# Altium PCB PCB.PcbDoc
Units mm, origin at the board's own origin, x right, y up, seen from the top; angles counter-clockwise.
Board outline 127 x 60 mm, 2 copper layers (Top Layer, Bottom Layer), stack 0.781 mm thick; 55 components, 34 nets, 212 pads, 306 vias.
Unrouted connection lines stored in the file: 11.
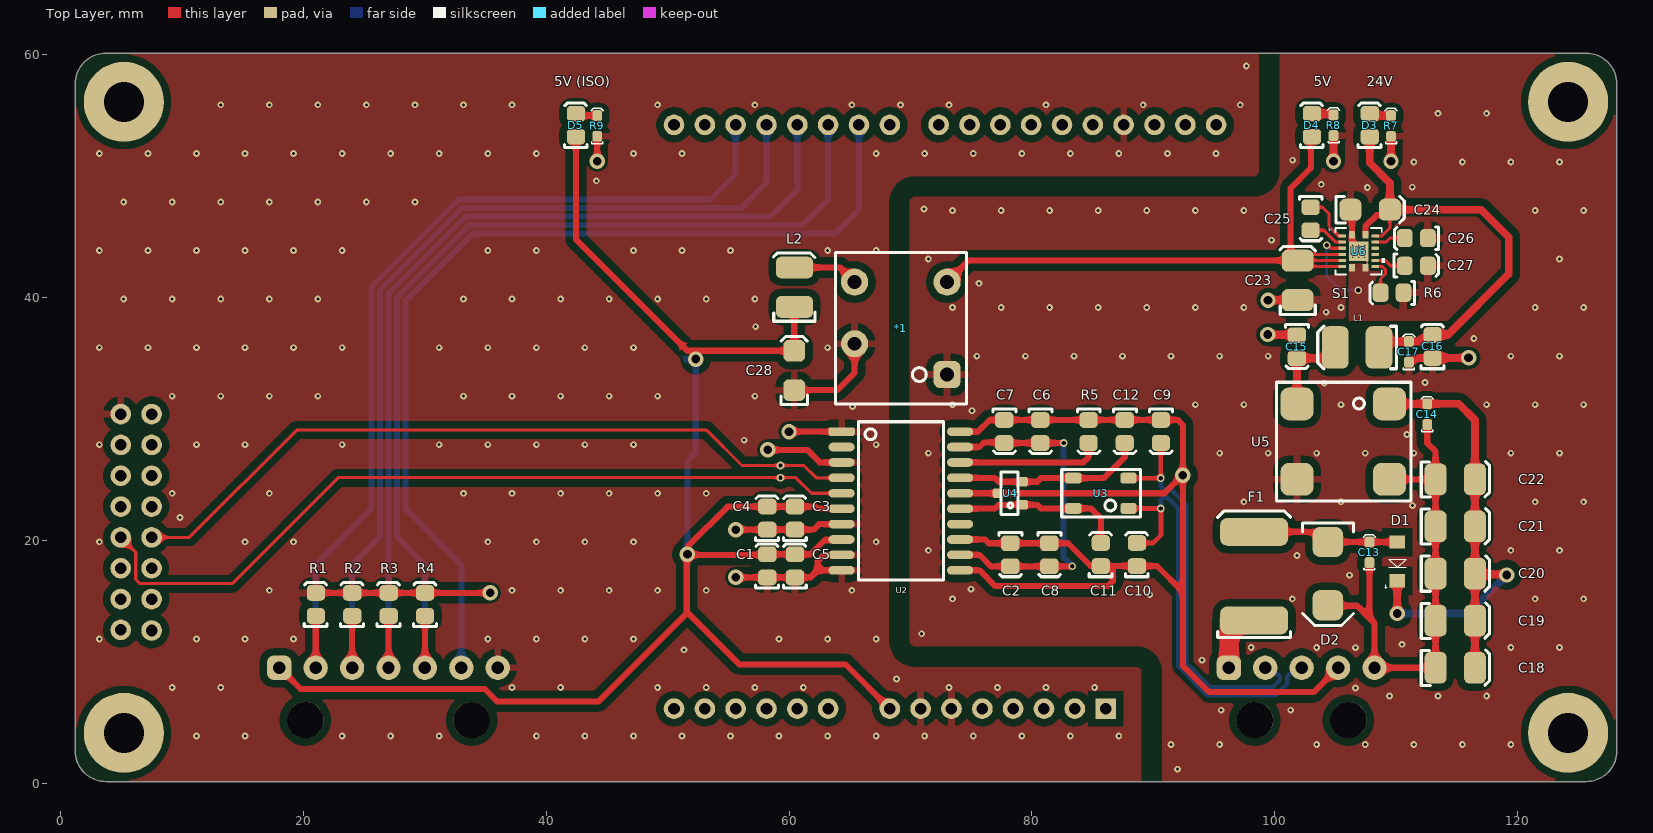
[diagram p0: Top Layer view]
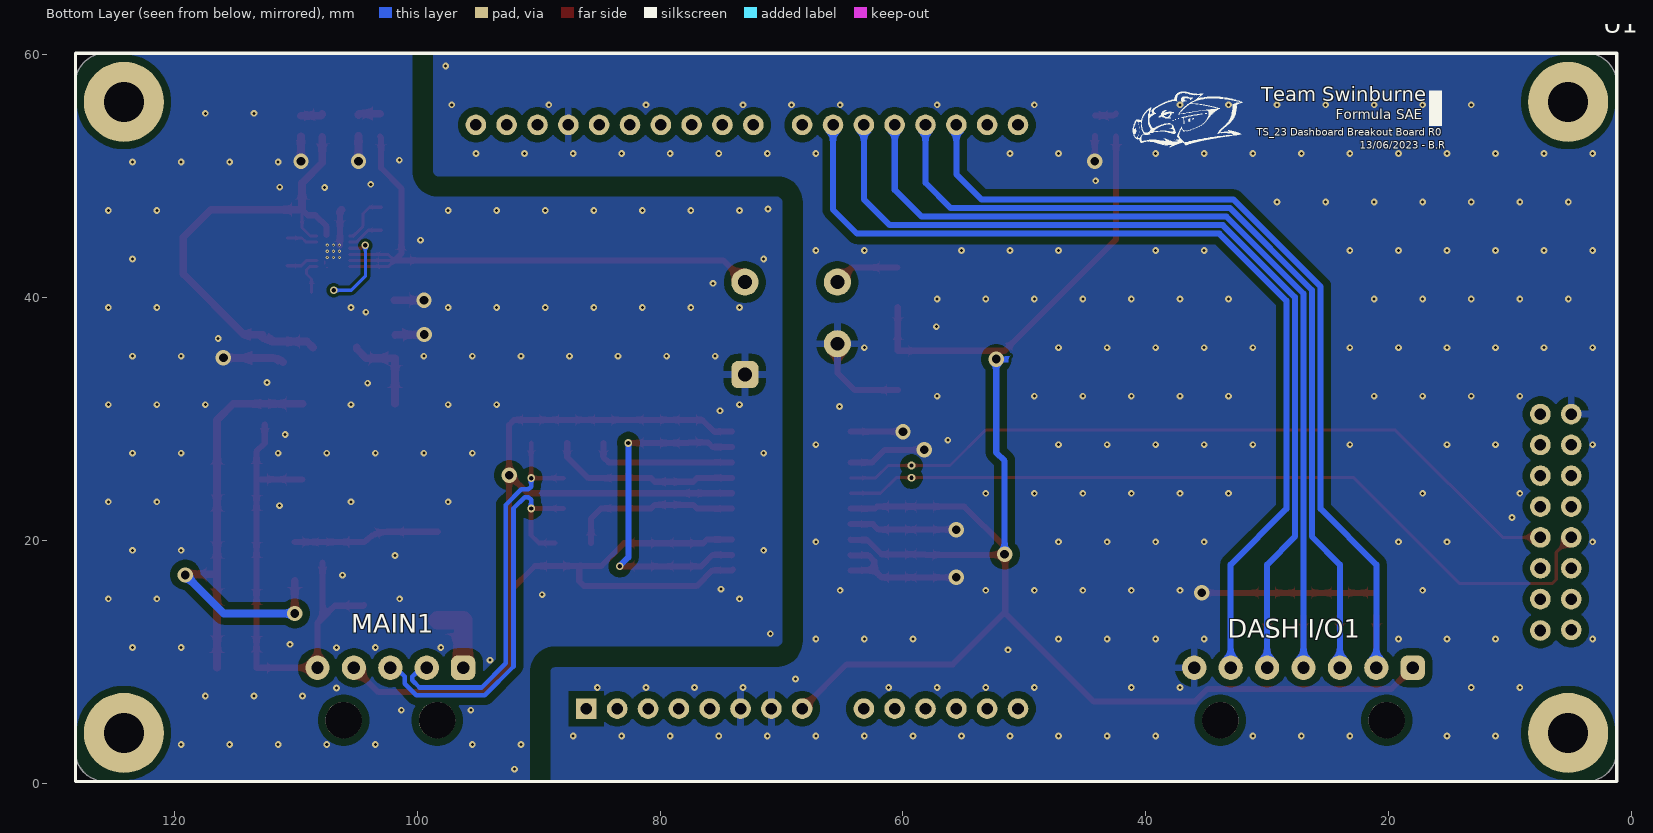
[diagram p1: Bottom Layer view, seen from below]

## Layer stack, top to bottom
Top Solder: solder mask 0.0254, SM-001, Dk 4
Top Layer: signal copper 0.035
Dielectric 1: core 0.7112, Core-039, Dk 4.8
Bottom Layer: signal copper 0.035
Bottom Solder: solder mask 0.0254, SM-001, Dk 4

## Board outline
1.195,2.627 1.195,57.627 cw(c3.695,57.627) 3.695,60.127 125.695,60.127 cw(c125.695,57.627) 128.195,57.627 128.195,2.627 cw(c125.695,2.627) 125.695,0.127 3.695,0.127 cw(c3.695,2.627)

## Design rules (kind name [scope] priority, off if disabled: settings)
Clearance ClearanceSIG0V [InNet('SIG 0V') vs InNet('0V')] p1: gap=0.254 ignorepadtopadclearanceinfootprint=FALSE except(0: Arc-Hole Track-Hole SMDPad-Hole THPad-Hole Via-Hole Fill-Hole Poly-Hole Region-Hole Text-Hole; 0.1: THPad-THPad; 0.152: Arc-SMDPad Track-SMDPad SMDPad-SMDPad; 0.2: Arc-THPad Track-THPad SMDPad-THPad THPad-Via; 0.203: Arc-Arc Arc-Track Arc-Region Track-Track Track-Region SMDPad-Region THPad-Region Via-Region Fill-Region Poly-Region Region-Region; 0.245: SMDPad-Poly Via-Poly; 0.6: Arc-Poly THPad-Poly Fill-Poly)
Clearance ClearanceSIG0V_1 [InNet('SIG 0V')] p2: gap=0.254 ignorepadtopadclearanceinfootprint=FALSE except(0: Arc-Hole Track-Hole SMDPad-Hole THPad-Hole Via-Hole Fill-Hole Poly-Hole Region-Hole Text-Hole; 0.1: THPad-THPad; 0.152: Arc-SMDPad Track-SMDPad SMDPad-SMDPad; 0.2: Arc-THPad Track-THPad SMDPad-THPad THPad-Via; 0.203: Arc-Arc Arc-Track Arc-Region Track-Track Track-Region SMDPad-Region THPad-Region Via-Region Fill-Region Poly-Region Region-Region; 0.245: Via-Poly; 0.6: Arc-Poly THPad-Poly Fill-Poly)
Clearance [All] p3: gap=0.254 ignorepadtopadclearanceinfootprint=FALSE except(0: Arc-Hole Track-Hole SMDPad-Hole THPad-Hole Via-Hole Fill-Hole Poly-Hole Region-Hole Text-Hole; 0.1: THPad-THPad; 0.152: Arc-SMDPad Track-SMDPad SMDPad-SMDPad; 0.2: Arc-THPad Track-THPad SMDPad-THPad THPad-Via; 0.203: Arc-Arc Arc-Track Arc-Region Track-Track Track-Region SMDPad-Region THPad-Region Via-Region Fill-Region Poly-Region Region-Region; 0.6: Arc-Poly Track-Poly SMDPad-Poly THPad-Poly Via-Poly Fill-Poly Poly-Poly)
ComponentClearance ComponentClearance_1 [HasFootprint('MAXM17631AME+T') vs HasFootprint('POINT_0_1')] p1: gap=0 collisioncheckmode=3 verticalgap=0 showdistances=FALSE
ComponentClearance [All] p2: gap=0.254 collisioncheckmode=3 verticalgap=0.254 showdistances=FALSE
DiffPairsRouting [All] p1: maxlimit=0.254 minlimit=0.254 mostfreqgap=0.254 toplayer_minwidth=0.381 toplayer_maxwidth=0.381 toplayer_prefwidth=0.381 bottomlayer_minwidth=0.381 bottomlayer_maxwidth=0.381 bottomlayer_prefwidth=0.381 maxuncoupledlength=12.7
Height [All] p1: minheight=0 maxheight=50 prefheight=12.7
HoleSize [All] p1: absolutevalues=TRUE maxlimit=10 minlimit=0.025 maxpercent=80.000 minpercent=20.000
PlaneClearance [All] p1: clearance=0.4
PlaneConnect [All] p1: pad.planeconnectstyle=Relief pad.reliefexpansion=0.508 pad.reliefentries=4 pad.reliefconductorwidth=0.8 pad.reliefairgap=0.254 via.planeconnectstyle=Direct via.reliefexpansion=0.508 via.reliefentries=4 via.reliefconductorwidth=0.8 via.reliefairgap=0.254
PolygonConnect PolygonConnectSIG0V [InNet('SIG 0V') vs HasFootprint('MAXM17631AME+T')] p1: thpad.connectstyle=Relief thpad.reliefconductorwidth=0.6 thpad.reliefentries=4 thpad.polygonreliefangle="90 Angle" thpad.airgapwidth=0.254 smdpad.connectstyle=Direct smdpad.reliefconductorwidth=0.6 smdpad.reliefentries=4 smdpad.polygonreliefangle="90 Angle" smdpad.airgapwidth=0.254 via.connectstyle=Direct via.reliefconductorwidth=0.6 via.reliefentries=4 via.polygonreliefangle="90 Angle" via.airgapwidth=0.254
PolygonConnect PolygonConnectSIG0VSTAR [InNet('SIG 0V') vs HasFootprint('POINT_0_1')] p2: thpad.connectstyle=Relief thpad.reliefconductorwidth=0.6 thpad.reliefentries=4 thpad.polygonreliefangle="90 Angle" thpad.airgapwidth=0.254 smdpad.connectstyle=Relief smdpad.reliefconductorwidth=0.6 smdpad.reliefentries=4 smdpad.polygonreliefangle="90 Angle" smdpad.airgapwidth=0.254 via.connectstyle=Direct via.reliefconductorwidth=0.6 via.reliefentries=4 via.polygonreliefangle="90 Angle" via.airgapwidth=0.254
PolygonConnect PolygonConnect0VSTAR [InNet('0V') vs HasFootprint('POINT_0_1')] p3: thpad.connectstyle=Relief thpad.reliefconductorwidth=0.6 thpad.reliefentries=4 thpad.polygonreliefangle="90 Angle" thpad.airgapwidth=0.254 smdpad.connectstyle=Direct smdpad.reliefconductorwidth=0.6 smdpad.reliefentries=4 smdpad.polygonreliefangle="90 Angle" smdpad.airgapwidth=0.254 via.connectstyle=Direct via.reliefconductorwidth=0.6 via.reliefentries=4 via.polygonreliefangle="90 Angle" via.airgapwidth=0.254
PolygonConnect PolygonConnect0VEPADVIAREG [InNet('0V') vs HasFootprint('MAXM17631AME+T')] p4: thpad.connectstyle=Relief thpad.reliefconductorwidth=0.6 thpad.reliefentries=4 thpad.polygonreliefangle="90 Angle" thpad.airgapwidth=0.254 smdpad.connectstyle=Direct smdpad.reliefconductorwidth=0.6 smdpad.reliefentries=4 smdpad.polygonreliefangle="90 Angle" smdpad.airgapwidth=0.254 via.connectstyle=Direct via.reliefconductorwidth=0.6 via.reliefentries=4 via.polygonreliefangle="90 Angle" via.airgapwidth=0.254
PolygonConnect PolygonConnect_1 [All] p5: thpad.connectstyle=Relief thpad.reliefconductorwidth=0.6 thpad.reliefentries=4 thpad.polygonreliefangle="90 Angle" thpad.airgapwidth=0.6 smdpad.connectstyle=Relief smdpad.reliefconductorwidth=0.6 smdpad.reliefentries=4 smdpad.polygonreliefangle="90 Angle" smdpad.airgapwidth=0.6 via.connectstyle=Direct via.reliefconductorwidth=0.6 via.reliefentries=4 via.polygonreliefangle="90 Angle" via.airgapwidth=0.6
RoutingVias [All] p1: holewidth=0.711 width=1.27 viastyle="Through Hole" minholewidth=0.1 minwidth=0.15 maxholewidth=0.711 maxwidth=1.27
ShortCircuit [All vs InPadClass('All Pads')] p1: allowed=FALSE
SolderMaskExpansion [All] p1: expansion=0.051 istentingtop=FALSE
Width Width_1 [InNet('SIG 0V')] p1: maxlimit=3 minlimit=0.1 preferedwidth=0.5 minimp=50.000000 maximp=50.000000 favimp=50.000000
Width [All] p2: maxlimit=3 minlimit=0.127 preferedwidth=0.5
23 further rules are at their usual default settings.

## Classes and differential pairs
component class "U_Power supply - Copy (2)": *1 C13 C14 C15 C16 C17 C18 C19 C20 C21 C22 C23 C24 C25 C26 C27 C28 D1 D2 D3 D4 D5 F1 L1 L2 R6 R7 R8 R9 S1 U5 U6
component class U_CAN: C1 C2 C3 C4 C5 C6 C7 C8 C9 C10 C11 C12 R5 U2 U3 U4
component class Top_Level: "DASH I/O1" MAIN1 R1 R2 R3 R4 U1
differential pair CAN1: +CAN1_P -CAN1_N

## Components (designator, comment, footprint, x,y, rotation, side; value= is the part's Value field where it differs from the comment)
*1 "NKE0505DC" NKE0505DC 73.025,33.655 r90 top
C1 "100nF" 0805 58.182,17.907 r90 top
C2 "100nF" 0805 78.258,18.796 r270 top
C3 "10nF" 0805 60.468,21.844 r90 top
C4 "100nF" 0805 58.182,21.844 r90 top
C5 "10nF" 0805 60.468,17.907 r90 top
C6 "100nF" 0805 80.732,28.956 r270 top
C7 "10nF" 0805 77.756,28.956 r270 top
C8 "10nF" 0805 81.474,18.796 r270 top
C9 "100pF" 0805 90.662,28.956 r270 top
C10 "100pF" 0805 88.641,18.844 r90 top
C11 "100pF" 0805 85.664,18.844 r90 top
C12 "100pF" 0805 87.685,28.956 r270 top
C13 "100nF" 0603 107.823,18.156 r90 top
C14 "100nF" 0603 112.588,29.542 r90 top
C15 "10uF" 0805 101.865,35.941 r270 top
C16 "10uF" 0805 113,35.989 r90 top
C17 "100nF" 0603 111.075,34.675 r90 top
C18 "22uF" 1210 116.078,9.5 r0 top
C19 "22uF" 1210 116.078,13.38 r0 top
C20 "22uF" 1210 116.078,17.261 r0 top
C21 "22uF" 1210 116.078,21.141 r0 top
C22 "22uF" 1210 116.078,25.022 r0 top
C23 "22uF" 1210 101.9,42.6 r90 top
C24 "4.7uF" "1206 CAP" 109.07,47.244 r0 top
C25 "100nF" 0805 102.997,46.482 r270 top
C26 "2.2uF" 0805 111.675,44.875 r180 top
C27 "6.8nF" 0805 111.7,42.65 r0 top
C28 "4.7uF" "1206 CAP" 60.429,35.179 r90 top
D1 "PMEG100T10ELR-QX" "NXP SOD123W" 110.109,18.256 r90 top
D2 "SM6T36CAY" "ST SMB DIODE" 104.394,17.256 r90 top
D3 "Red" "0805 LED" 107.823,54.215 r90 top
D4 "Red" "0805 LED" 103.058,54.215 r90 top
D5 "Red" "0805 LED" 42.418,54.215 r90 top
"DASH I/O1" "436500700" 436500700 18,9.5 r180 bottom
F1 "0ZCF0100AF2A" 2920 98.325,13.401 r90 top
L1 "12uH" 1812 106.811,35.889 r180 top
L2 "47 uH" 82473C 60.452,42.037 r90 top
MAIN1 "436500500" 436500500 96.237,9.5 r180 bottom
R1 "10k" 0805 20.989,14.732 r90 top
R2 "10k" 0805 23.989,14.732 r90 top
R3 "10k" 0805 26.989,14.732 r90 top
R4 "10k" 0805 29.989,14.732 r90 top
R5 "0R" 0805 84.709,28.956 r270 top
R6 "15k" 0805 109.675,40.375 r180 top
R7 "20K" 0603 109.601,53.291 r90 top
R8 "2K" 0603 104.862,53.341 r90 top
R9 "2K" 0603 44.196,53.291 r90 top
S1 "" POINT_0_1 107.65,43.025 r270 top net-tie value=0.1
U1 "DISCO-F469NI" DISCO-F469NI 64.693,31.127 r90 bottom locked
U2 "" "AD SOIC-W 20" 69.215,23.241 r270 top
U3 "B82787C0104H002" "TDK 4-PC Pad" 87.973,22.626 r180 top value="100µH @ 100kHz"
U4 "NUP2105L" "ON SOT-23" 78.232,23.876 r90 top
U5 "744272121" "Wurth 4-PC Pad" 101.854,25.022 r0 top value="120uH @ 100kHz"
U6 "MAXM17631AME+T" MAXM17631AME+T 106.934,43.815 r0 top

## Footprints (in the part's own frame and the unit in brackets; to place one, negate y for a bottom-side part, rotate by r counter-clockwise, add the part's x,y. Pads: shape width x height; smd on the part's side, far side on the other; paste and mask are expansions set on the pad)
0603 [mm]
  rrect50% 0.9x0.8 smd: 1(0,0) 2(1.7,0)
  silkscreen extent -0.6,-0.5 2.3,0.5, body extent 0.05,-0.42 1.65,0.43, height 0.6
0805 [mm]
  rrect50% 1.3x1.5 smd: 1(-0.962,-0.026) 2(0.938,-0.026)
  silkscreen extent -1.85,-0.95 1.8,0.93, body extent -1,-0.65 1,0.66, height 0.73
"0805 LED" [mm]
  rrect50% 1.3x1.5 smd: A(-0.962,-0.026) K(0.938,-0.026)
  silkscreen extent -1.85,-0.95 1.8,0.93, body extent -1.09,-0.63 0.91,0.62, height 1
"1206 CAP" [mm]
  rrect50% 1.8x1.8 smd: 1(-2.81,0) 2(0.44,0)
  silkscreen extent -3.99,-1.09 1.62,1.09, body extent -2.75,-0.79 0.45,0.81, height 1.61
1210 [mm]
  rrect50% 1.8x2.6 smd: 1(-2.81,0) 2(0.44,0)
  silkscreen extent -3.99,-1.46 1.62,1.46, body extent -2.77,-1.26 0.43,1.24, height 2.51
1812 [mm]
  rrect50% 2.2x3.5 smd: 1(-1.8,0) 2(1.8,0)
  silkscreen extent -3.25,-1.75 3.25,1.75, body extent -2.25,-1.6 2.25,1.6, height 2.5
2920 [mm]
  rrect50% 2.3x5.6 smd: 1(0,0) 2(7.3,0)
  silkscreen extent -1.4,-3 9,3, body extent -0.34,-2.81 7.64,2.81, height 1.14
82473C [mm]
  rrect50% 1.8x3.05 smd: 1(-2.81,0) 2(0.44,0)
  silkscreen extent -3.99,-1.68 1.62,1.73, body extent -2.81,-1.25 0.45,1.26, height 2
436500500 [mm]
  rrect50% 2x2 hole 1.02 paste+0: 1(0,0)
  round 2 hole 1.02 paste+0: 2(-3,0) 3(-6,0) 4(-9,0) 5(-12,0)
  round 3 hole 3 unplated: PEG(-9.85,-4.32) PEG(-2.15,-4.32)
  body extent -15.32,-8.88 3.32,1.02, height 5.06
436500700 [mm]
  rrect50% 2x2 hole 1.02 paste+0: 1(0,0)
  round 2 hole 1.02 paste+0: 2(-3,0) 3(-6,0) 4(-9,0) 5(-12,0) 6(-15,0) 7(-18,0)
  round 3 hole 3 unplated: PEG(-15.85,-4.32) PEG(-2.15,-4.32)
  body extent -21.32,-8.88 3.32,1.02, height 5.06
"AD SOIC-W 20" [mil]
  rrect50% 28x85 smd: 1(-225,-192.02)
  oval 28x85 smd: 2(-175,-192.02) 3(-125,-192.02) 4(-75,-192.02) 5(-25,-192.02) 6(25,-192.02) 7(75,-192.02) 8(125,-192.02) 9(175,-192.02) 10(225,-192.02) 11(225,192.02) 12(175,191.98) 13(125,191.98) 14(75,191.98) 15(25,191.98) 16(-25,191.98) 17(-75,191.98) 18(-125,191.98) 19(-175,191.98) 20(-225,191.98)
  silkscreen extent -257,-138 256,138, body extent -260,-210 260,210, height 105
DISCO-F469NI [mm]
  round 6.6 hole 3.3: 0(-27,-59.5) 0(-27,59.5) 0(25,-59.5) 0(25,59.5)
  rect 1.7x1.7 hole 0.95: 1(-25,21.391)
  round 1.7 hole 0.95: 2(-25,18.851) 3(-25,16.311) 4(-25,13.771) 5(-25,11.231) 6(-25,8.691) 7(-25,6.151) 8(-25,3.611) 9(-25,-1.469) 10(-25,-4.009) 11(-25,-6.549) 12(-25,-9.089) 13(-25,-11.629) 14(-25,-14.169) 15(23.103,30.499) 16(23.103,27.959) 17(23.103,25.419) 18(23.103,22.879) 19(23.103,20.339) 20(23.103,17.799) 21(23.103,15.259) 22(23.103,12.719) 23(23.103,10.179) 24(23.103,7.639) 25(23.103,3.611) 26(23.103,1.071) 27(23.103,-1.469) 28(23.103,-4.009) 29(23.103,-6.549) 30(23.103,-9.089) 31(23.103,-11.629) 32(23.103,-14.169) 33(-0.727,-57.213) 34(-3.267,-57.213) 35(-5.807,-57.213) 36(-8.347,-57.213) 37(-10.887,-57.213) 38(-13.427,-57.213) 39(-15.967,-57.213) 40(-18.558,-57.213) 41(-18.507,-59.753) 42(-15.967,-59.753) 43(-13.427,-59.753) 44(-10.887,-59.753) 45(-8.347,-59.753) 46(-5.807,-59.753) 47(-3.267,-59.753) 48(-0.727,-59.753)
  silkscreen extent -31,-63.5 29,63.5, body extent -31.1,-64.69 29.95,63.89
MAXM17631AME+T [mil]
  rrect25% 24x10 smd paste-5 mask+0: 1(-53.15,49.21) 2(-53.15,29.53) 3(-53.15,9.84) 4(-53.15,-9.84) 5(-53.15,-29.53) 6(-53.15,-49.21) 9(53.15,-49.21) 10(53.15,-29.53) 11(53.15,-9.84) 12(53.15,9.84) 13(53.15,29.53) 14(53.15,49.21)
  rrect25% 20x24 smd paste+0 mask+0: 7(-21.65,-53.15) 8(21.65,-53.15) 15(21.65,53.15) 16(-21.65,53.15)
  rect 63x63 smd paste+0 mask+0: 17(0,0)
  silkscreen extent -75,-75 85,75, body extent -62,-62 62,62, height 71
NKE0505DC [mm] "DC DC CONVERTER 5V 1W"
  rrect50% 2.24x2.24 hole 1.15: 1(0,0)
  round 2.24 hole 1.15: 4(7.62,0) 5(7.62,7.62) 7(2.54,7.62)
  silkscreen extent -2.44,-1.59 10.06,9.21, body extent -1.94,-1.11 9.56,8.71, height 5.42
"NXP SOD123W" [mm]
  rect 1.1x1.3 smd: A(1.6,0) K(-1.6,0)
  silkscreen extent -2.2,-0.73 0.2,1.04, body extent -1.75,-0.95 1.75,0.95, height 1.1
"ON SOT-23" [mm] "NUP2105L"
  rrect50% 0.8x0.9 smd: 1(-0.95,-1) 2(0.95,-1) 3(0,1)
  silkscreen extent -1.75,-0.65 1.75,0.75, body extent -1.5,-1.27 1.5,1.28, height 1
POINT_0_1 [mil]
  rrect50% 5x5 smd paste+0 mask+0: 1(0,0) 2(10.83,0)
  Top Layer lines w5: 10.83,0 0,0
"ST SMB DIODE" [mm]
  rrect50% 2.5x2.5 smd: A(2.6,0) K(-2.6,0)
  silkscreen extent -4.28,-2.12 4.17,2.08, body extent -2.88,-1.99 2.71,1.95, height 2.5
"TDK 4-PC Pad" [mm]
  rrect50% 1.35x0.9 smd: 1(0,0) 2(0,-2.5) 3(4.55,-2.5) 4(4.55,0)
  silkscreen extent -1,-3.2 5.5,0.7, body extent -0.02,-2.82 4.48,0.38, height 2.8
"Wurth 4-PC Pad" [mm]
  rrect50% 2.7x2.7 smd: 1(7.62,6.22) 2(0,6.22) 3(0,0) 4(7.62,0)
  silkscreen extent -1.7,-1.8 9.4,8, body extent -1.19,-1.24 8.81,7.46, height 6.2

## Part data
*1: "DC DC CONVERTER 5V 1W", Digikey Part Number=811-1433-5-ND, Input Voltage="4.5 to 5.5", Manufacturer="Murata Power Solutions Inc.", Output Current="200 mA", Output Voltage=5V, Part Number=NKE0505DC
C1 C2 C4 C6 C25: library part GCM21BR71H104KA37L, Digikey Part Number=490-6064-1-ND, Manufacturer=muRata, Rated Voltage=50V, Temperature Rating=X7R, Tolerance=±10%, Material=MLCC, Part Number=GCM21BR71H104KA37L
C3 C5 C7 C8: library part GCM2195C1H103JA16D, Digikey Part Number=490-4783-1-ND, Manufacturer=muRata, Rated Voltage=50V, Temperature Rating="C0G, NP0", Tolerance=±5%, Material=MLCC, Part Number=GCM2195C1H103JA16D
C9 C10 C11 C12: library part GCM2165C1H101JA16D, Digikey Part Number=490-8031-1-ND, Manufacturer=muRata, Rated Voltage=50V, Temperature Rating="C0G, NP0", Tolerance=±5%, Material=MLCC, Part Number=GCM2165C1H101JA16D
C13 C14 C17: library part GCM188L81H104KA57D, Digikey Part Number=490-6049-1-ND, Manufacturer=muRata, Rated Voltage=50V, Temperature Rating=X8L, Tolerance=±10%, Material=MLCC, Part Number=GCM188L81H104KA57D
C15 C16: library part GRM21BR6YA106KE43L, Digikey Part Number=490-10514-6-ND, Manufacturer=muRata, Rated Voltage=50V, Temperature Rating=X5R, Tolerance=10%, Material=MLCC, Part Number=GRM21BR6YA106KE43L
C18 C19 C20 C21 C22 C23: library part GRM32ER71E226KE15L, Digikey Part Number=490-5313-2-ND, Manufacturer="Murata Electronics", Rated Voltage=25V, Temperature Rating=X7R, Tolerance=±10%, Material=MLCC, Part Number=GRM32ER71E226KE15L
C24 C28: library part GRM31CR71H475KA12K, Digikey Part Number=490-GRM31CR71H475KA12KTR-ND, Manufacturer="Murata Electronics", Rated Voltage=50V, Temperature Rating=X7R, Tolerance=±10%, Material=MLCC, Part Number=GRM31CR71H475KA12K
C26: library part GRM21BR71E225KE11L, Digikey Part Number=490-14467-2-ND, Manufacturer="Murata Electronics", Rated Voltage=25V, Temperature Rating=X7R, Tolerance=±10%, Material=MLCC, Part Number=GRM21BR71E225KE11L
C27: library part GCM2195C1H682JA16D, Digikey Part Number=490-4974-1-ND, Manufacturer=muRata, Rated Voltage=50V, Temperature Rating="C0G, NP0", Tolerance=±5%, Material=MLCC, Part Number=GCM2195C1H682JA16D
D1: Breakdown Voltage="100 V", Digikey Part Number=1727-PMEG100T10ELR-QXCT-ND, Forward Voltage="0.75 V @ 1A", Manufacturer="Nexperia USA Inc.", Rated Power="680 mW", Part Number=PMEG100T10ELR-QX
D2: Breakdown Voltage="30.8 V", Digikey Part Number=497-10804-1-ND, Manufacturer=STMicroelectronics, Rated Power=600W, Forward Voltage="30.8 V", Part Number=SM6T36CAY
D3 D4 D5: library part SML-210LTT86, "Red LED Indication - Discrete 1.75V 0805 (2012 Metric)", Digikey Part Number=511-1286-1-ND, Manufacturer="ROHM Semiconductor", Colour=Red, Part Number=SML-210LTT86
"DASH I/O1": "Micro-Fit 7x1", Digikey Part Number=WM2423-ND, Angle=90, Contact=Tin, Digikey Link=https://www.digikey.com.au/en/products/detail/molex/0436500700/531339, Flange=No, Part Number=436500700, Pitch=3.0mm, Positions=7, Row Spacing=3.0mm
F1: "PTC RESET FUSE 60V 1A 292", Digikey Part Number=507-2070-1-ND, Manufacturer="Littelfuse Inc.", Digikey Link=https://www.digikey.com/product-detail/en/bel-fuse-inc/0ZCF0100AF2A/507-2070-1-ND/6210547, Part Number=0ZCF0100AF2A
L1: library part RLS-126, Digikey Part Number=945-3429-ND, Manufacturer=Recom, Rated Current="0.8 A", Tolerance=0.2, Impedance=230mOhm, Material=Wirewound, Part Number=RLS-126
L2: library part 82473C, Digikey Part Number=811-2477-2-ND, Manufacturer="Murata Power Solutions Inc.", Rated Current=250mA, Tolerance=0.1, Impedance="1.69 Ohms", Material=Wirewound, Part Number=82473C
MAIN1: "Micro-Fit 5x1", Digikey Part Number=WM1863-ND, Angle=90, Contact=Tin, Digikey Link=https://www.digikey.com.au/en/products/detail/molex/0436500500/268992, Flange=No, Part Number=436500500, Pitch=3.0mm, Positions=5, Row Spacing=3.0mm
R1 R2 R3 R4: library part RC0805FR0710KL, Digikey Part Number=311-10.0KCRCT-ND, Manufacturer=YAGEO, Rated Power=0.125W, Tolerance=0.01, Material=FR-07, Part Number=RC0805FR0710KL
R5: library part RC0805FR070RL, Digikey Part Number=311-0.0CRCT-ND, Manufacturer=YAGEO, Rated Power=0.125W, Tolerance=0.01, Material=FR-07, Part Number=RC0805FR070RL
R6: library part RC0805FR0715KL, Digikey Part Number=311-15.0KCRCT-ND, Manufacturer=YAGEO, Rated Power=0.125W, Tolerance=0.01, Material=FR-07, Part Number=RC0805FR0715KL
R7: library part RC0603FR-0720KL, Digikey Part Number=311-20.0KHRCT-ND, Manufacturer=YAGEO, Rated Power=0.1W, Tolerance=0.01, Part Number=RC0603FR-0720KL
R8 R9: library part RC0603FR-072KL, Digikey Part Number=311-2.00KHRCT-ND, Manufacturer=YAGEO, Rated Power=0.1W, Tolerance=0.01, Part Number=RC0603FR-072KL
S1: library part STAR_POINT_0.1, Part Number=STAR_POINT_0.1
U1: "STM32F469 Discovery STM32F4 ARM® Cortex®-M4 MCU 32-Bit Embedded Evaluation Board  (The Disco 69 lol)", Digikey Part Number=497-15990-ND, Manufacturer=STMicroelectronics, Digikey Link=https://www.digikey.com/product-detail/en/stmicroelectronics/STM32F469I-DISCO/497-15990-ND/5428811, Part Number=DISCO-F469NI
U2: library part ADM3053, "Isolated CAN Transceiver", Digikey Part Number=ADM3053BRWZ-ND, Manufacturer="Analogue Devices", Digikey Link=https://www.digikey.com/product-detail/en/analog-devices-inc/ADM3053BRWZ/ADM3053BRWZ-ND/2709332, Part Number=ADM3053
U3: Digikey Part Number=495-4598-1-ND, Manufacturer="EPCOS (TDK)", Rated Current=150mA, Impedance="5.8 kOhms @ 10MHz", Material=Wirewound, Part Number=B82787C0104H002
U4: "Dual Line CAN Bus Protector", Digikey Part Number=NUP2105LT1GOSCT-ND, Manufacturer="ON Semiconductor", Digikey Link=https://www.digikey.com/product-detail/en/on-semiconductor/NUP2105LT1G/NUP2105LT1GOSCT-ND/1485001, Part Number=NUP2105L
U5: Digikey Part Number=732-1489-1-ND, Manufacturer="Wurth Electronics Inc", Rated Current="2.5 A", Impedance="460 Ohms @ 30MHz", Material=Wirewound, Part Number=744272121
U6: "DC DC CONVERTER 5V", Digikey Part Number=175-MAXM17631AME+TTR-ND, Input Voltage="4.5 to 36 V", Manufacturer="Analog Devices", Mfr_Name="Analog Devices Inc", Output Current="1.0 A", Output Voltage=5V, Digi-Key_Part_Number_1=175-MAXM17631AME+TTR-ND, Part Number=MAXM17631AME+T, RefDes=RefDes, Type=Type

## Via types
v1: diameter 0.55, hole 0.25, Top Layer to Bottom Layer, tented both sides, 273 vias
v2: diameter 1.27, hole 0.711, Top Layer to Bottom Layer, tented both sides, 16 vias
v3: diameter 0.254, hole 0.127, Top Layer to Bottom Layer, tented bottom, 9 vias
v4: diameter 0.635, hole 0.356, Top Layer to Bottom Layer, tented both sides, 8 vias

## Nets (pads, with @x,y where several pads share a name; then routed paths per layer and width w, separated by ;. In a path a pad name is that pad's centre, name@x,y a point inside that pad or via, vN(x,y) a via of type N, cw(c..) or ccw(c..) an arc to the next point about the centre after c; other vN are vias at no path point)
0V: *1.1 C15.1 C16.1 C17.1 C23.1 C24.1 R7.1 R8.1 S1.1 U5.3 U6.16 U6.17 | length 17.1
  Top Layer w0.508: C24.1@106.384,46.944 U6.16 106.384,44.315 v3(106.434,44.315)
  Top Layer w0.635: v2(99.441,36.957) 99.468,36.93 101.811,36.93 C15.1 ; v2(99.466,39.79) C23.1 ; v2@99.466,39.851 v2@99.495,39.881 ; v2(104.862,51.225) R8.1 ; C24.1 cw(c105.96,46.944) C24.1@106.384,46.944 ; v2(109.601,51.225) R7.1 ; C17.1 cw(c111.924,33.826) 111.924,35.027 C16.1 v2@116.015,35.027
  other v1: 92,1.15 91.475,3.175 95.475,3.175 103.475,3.175 107.475,3.175 111.475,3.175 115.475,3.175 119.475,3.175 95.6,6 101.325,6 109.475,7.175 113.475,7.175 117.475,7.175 106.675,7.825 94.025,10.125 106.675,11.15 98.075,11.175 103.475,11.175 119.475,11.175 123.475,11.175 110.5,11.425 70.925,12.3 73.475,15.175 101.475,15.175 121.475,15.175 125.475,15.175 89.725,15.525 75,15.975 106.175,17.125 101.85,18.75 71.475,19.175 119.475,19.175 123.475,19.175 111.375,22.85 97.475,23.175 105.475,23.175 121.475,23.175 125.475,23.175 71.475,27.175 95.475,27.175 99.475,27.175 103.475,27.175 107.475,27.175 111.475,27.175 119.475,27.175 123.475,27.175 110.9,28.725 75.075,30.675 73.475,31.175 93.475,31.175 97.475,31.175 105.475,31.175 117.475,31.175 121.475,31.175 125.475,31.175 104.1,32.95 112.4,33 75.475,35.175 79.475,35.175 83.475,35.175 87.475,35.175 91.475,35.175 95.475,35.175 99.475,35.175 119.475,35.175 123.475,35.175 116.425,36.625 104.25,38.8 73.475,39.175 77.475,39.175 81.475,39.175 85.475,39.175 89.475,39.175 93.475,39.175 97.475,39.175 105.475,39.175 121.475,39.175 125.475,39.175 75.65,41.175 71.475,43.175 123.475,43.175 99.75,44.725 73.475,47.175 77.475,47.175 81.475,47.175 85.475,47.175 89.475,47.175 93.475,47.175 97.475,47.175 121.475,47.175 125.475,47.175 71.125,47.3 107.65,49.075 111.35,49.1 103.85,49.325 111.475,51.175 115.475,51.175 119.475,51.175 123.475,51.175 101.5,51.325 113.475,55.175 117.475,55.175
  other v2: 115.988,35.054
  other v3: 106.434,43.315 106.934,43.315 107.434,43.315 106.434,43.815 106.934,43.815 107.434,43.815 106.934,44.315 107.434,44.315
"0V (ISO)": "DASH I/O1.7" *1.7 C1.1 C3.1 C4.1 C5.1 C28.1 R1.2 R2.2 R3.2 R4.2 R9.1 U1.6 U1.7 U1.18 U1.48 U2.1 U2.3 U2.7 U2.9 U2.10 | length 56.1
  Top Layer w0.5: R1.2 R2.2 R3.2 R4.2 30.018,15.672 35.372,15.672 v2(35.375,15.675) ; v2(44.196,51.225) R9.1 ; v2(55.6,16.945) C1.1 C5.1 61.776,16.945 62.357,17.526 ; v2(55.6,20.882) C4.1 C3.1 62.03,20.882 62.484,21.336 U2.7 ; v2(58.25,27.45) 61.5,27.45 62.534,26.416 U2.3 ; v2(60,28.956) U2.1 ; C28.1 63.969,32.369 65.405,33.805 *1.7 ; U2.10 62.357,17.526 ; U2.9 64.297,18.756 62.825,18.756 62.357,18.288 62.357,17.526
  other v1: 11.178,3.875 15.178,3.875 23.178,3.875 27.178,3.875 31.178,3.875 39.178,3.875 43.178,3.875 47.178,3.875 51.178,3.875 55.178,3.875 59.178,3.875 63.178,3.875 67.178,3.875 71.178,3.875 75.178,3.875 79.178,3.875 83.178,3.875 87.178,3.875 9.178,7.875 13.178,7.875 37.178,7.875 41.178,7.875 49.178,7.875 53.178,7.875 57.178,7.875 61.178,7.875 73.178,7.875 77.178,7.875 81.178,7.875 85.178,7.875 68.85,8.575 51.35,10.975 3.179,11.875 11.178,11.875 15.178,11.875 19.178,11.875 35.178,11.875 39.178,11.875 43.178,11.875 47.178,11.875 59.178,11.875 63.178,11.875 67.178,11.875 17.178,15.875 37.178,15.875 41.178,15.875 45.178,15.875 49.178,15.875 53.178,15.875 65.178,15.875 3.179,19.875 15.178,19.875 19.178,19.875 35.178,19.875 39.178,19.875 43.178,19.875 47.178,19.875 67.178,19.875 9.825,21.875 9.178,23.875 17.178,23.875 33.178,23.875 37.178,23.875 41.178,23.875 45.178,23.875 49.178,23.875 53.178,23.875 3.179,27.875 11.178,27.875 15.178,27.875 23.178,27.875 31.178,27.875 35.178,27.875 39.178,27.875 43.178,27.875 47.178,27.875 67.178,27.875 56.3,28.25 65.225,31.025 9.178,31.875 13.178,31.875 17.178,31.875 21.178,31.875 33.178,31.875 37.178,31.875 41.178,31.875 45.178,31.875 49.178,31.875 57.178,31.875 3.179,35.875 7.178,35.875 11.178,35.875 15.178,35.875 19.178,35.875 23.178,35.875 31.178,35.875 35.178,35.875 39.178,35.875 43.178,35.875 47.178,35.875 63.178,35.875 57.25,37.6 5.178,39.875 9.178,39.875 13.178,39.875 17.178,39.875 21.178,39.875 33.178,39.875 37.178,39.875 41.178,39.875 45.178,39.875 49.178,39.875 53.178,39.875 57.178,39.875 3.179,43.875 7.178,43.875 11.178,43.875 15.178,43.875 19.178,43.875 23.178,43.875 35.178,43.875 39.178,43.875 47.178,43.875 51.178,43.875 55.178,43.875 63.178,43.875 67.178,43.875 5.178,47.875 9.178,47.875 13.178,47.875 17.178,47.875 21.178,47.875 25.178,47.875 29.178,47.875 44.125,49.622 3.179,51.875 7.178,51.875 11.178,51.875 15.178,51.875 19.178,51.875 23.178,51.875 27.178,51.875 31.178,51.875 35.178,51.875 39.178,51.875 47.178,51.875 51.178,51.875 67.178,51.875 71.178,51.875 75.178,51.875 79.178,51.875 83.178,51.875 87.178,51.875 91.178,51.875 95.178,51.875 13.178,55.875 17.178,55.875 21.178,55.875 25.178,55.875 29.178,55.875 33.178,55.875 37.178,55.875 49.178,55.875 57.178,55.875 65.178,55.875 69.178,55.875 73.178,55.875 81.178,55.875 89.178,55.875 97.178,55.875 97.675,59.075
5V: *1.4 C23.2 D4.A U6.4 U6.5 U6.6 | length 52.2
  Top Layer w0.254: U6.6 102.375,42.565 C23.2 C23.2@101.925,43.065 ; U6.5 C23.2@101.925,43.065 ; U6.4 102.425,43.565 C23.2@101.925,43.065
  Top Layer w0.5: *1.4 74.81,43.06 101.15,43.06 C23.2@101.9,43.06 ; C23.2 101.325,43.615 101.325,49.001 102.997,50.673 102.997,53.166 D4.A
"5V (ISO)": "DASH I/O1.1" C1.2 C3.2 C4.2 C5.2 C28.2 D5.A L2.1 U1.8 U2.6 U2.8 | length 141.6
  Top Layer w0.5: 18,9.5 19.753,7.747 34.925,7.747 35.941,6.731 44.311,6.731 51.575,13.995 ; D5.A 42.444,44.805 51.63,35.619 52.315,35.619 ; v2(52.315,34.934) 52.315,35.619 ; L2.1 60.429,39.204 C28.2 52.315,35.619 ; U2.8 64.297,20.026 62.952,20.026 61.771,18.845 C5.2 C1.2 58.161,18.797 51.597,18.797 v2@51.55,18.75 ; U2.6 62.311,22.606 62.135,22.782 C3.2 C4.2 54.942,22.782 51.697,19.537 51.697,18.897 v2@51.55,18.75 ; U1.8 64.652,9.779 55.901,9.779 51.575,14.105 51.575,18.725 v2@51.55,18.75
  Bottom Layer w0.5: v2@51.59,18.79 51.63,18.83 51.63,26.547 52.315,27.232 v2(52.315,34.934)
  other v2: 51.63,18.845
24V: C16.2 C17.2 C24.2 D3.A L1.1 U6.14 U6.15 | length 40.1
  Top Layer w0.254: U6.14 108.815,45.065 109.51,45.76 C24.2@109.51,47.242
  Top Layer w0.508: U6.15 107.484,45.859 108.406,46.781 109.047,46.781 C24.2
  Top Layer w0.635: D3.A 107.849,51.099 109.51,49.439 C24.2 117.031,47.244 119.3,44.975 119.3,41.95 114.295,36.945 C16.2@112.774,36.945 ; L1.1 109.097,36.375 C17.2 111.695,36.375 ccw(c111.695,38.258) C16.2
BUTTON1: "DASH I/O1.2" R1.1 U1.30 | length 75.5
  Top Layer w0.5: 21,9.5 21.008,9.508 21.008,13.762 R1.1
  Bottom Layer w0.5: 21,9.5 21,18 25.594,22.594 25.594,40.908 32.761,48.075 53.525,48.075 55.604,50.154 U1.30
BUTTON2: "DASH I/O1.3" R2.1 U1.29 | length 76.6
  Top Layer w0.5: 24,9.5 24.008,9.508 24.008,13.762 R2.1
  Bottom Layer w0.5: 24,9.5 24,18 26.297,20.297 26.297,40.616 33.052,47.372 56.072,47.372 58.144,49.444 U1.29
BUTTON3: "DASH I/O1.4" R3.1 U1.28 | length 77.7
  Top Layer w0.5: 27,9.5 27.008,9.508 27.008,13.762 R3.1
  Bottom Layer w0.5: 27,9.5 27,40.325 33.344,46.669 58.469,46.669 60.675,48.875 60.675,54.221 U1.28
BUTTON4: "DASH I/O1.5" R4.1 U1.27 | length 80.8
  Top Layer w0.5: 30,9.5 30.008,9.508 30.008,13.762 R4.1
  Bottom Layer w0.5: 30,9.5 30,18 27.703,20.297 27.703,40.034 33.635,45.965 61.09,45.965 63.224,48.099 U1.27
CAN1_N: C10.2 MAIN1.3 U3.1 | length 35.2
  Top Layer w0.381: U3.1 v4(90.636,22.626) 90.65,22.612 90.65,20.425 90.007,19.782 C10.2
  Bottom Layer w0.381: v4(90.636,22.626) 90.636,23.335 90.859,23.558 91.175,23.558 92.087,22.646 92.087,9.6 94.448,7.239 100.097,7.239 101.055,8.197 101.055,8.776 101.278,8.999 101.298,8.999 101.799,9.5 MAIN1.3
CAN1_P: C9.2 MAIN1.2 U3.2 | length 32.6
  Top Layer w0.381: U3.2 v4(90.636,25.126) C9.2
  Bottom Layer w0.381: v4(90.636,25.126) 90.636,24.417 90.859,24.194 91.438,24.194 92.722,22.909 92.722,9.863 94.711,7.874 99.834,7.874 100.42,8.46 100.42,8.776 100.196,8.999 100.176,8.999 99.675,9.5 MAIN1.2
CAN1RX: U1.37 U2.4 | length 62.1
  Top Layer w0.254: U1.37 10.592,20.24 19.427,29.075 53.211,29.075 56.124,26.162 v4(59.293,26.162) 61.214,26.162 62.23,25.146 U2.4
CAN1TX: U1.44 U2.5 | length 66.4
  Top Layer w0.254: U1.44 6.175,19.005 6.175,16.775 6.525,16.425 14.125,16.425 22.862,25.162 v4(59.293,25.162) 60.563,25.162 61.849,23.876 U2.5
CANS: C2.1 C6.1 C7.1 C8.1 C9.1 C10.1 C11.1 C12.1 MAIN1.4 R5.1 U2.11 U2.13 U2.16 U2.20 U4.3 | length 107
  Top Layer w0.5: U2.11@74.025,17.6 74.092,17.533 U2.11 75.699,17.526 77,16.225 86.275,16.225 86.675,16.625 86.675,17.867 86.691,17.882 ; U2.13 76.151,20.066 76.459,19.758 C2.1 C8.1 82.985,19.758 84.861,17.882 86.691,17.882 ; U2.16 U4.3 90.926,23.876 v2(92.425,25.375) ; U2.20 75.565,28.956 76.522,29.913 77.725,29.913 C7.1 C6.1 R5.1 C12.1 92.032,29.918 92.45,29.5 92.45,15.75 ; MAIN1.4 103.23,7.493 94.615,7.493 92.964,9.144 92.45,9.658 92.45,15.75 ; 86.691,17.882 C10.1 90.318,17.882 92.45,15.75
GLV+: F1.1 MAIN1.1 | length 6
  Top Layer w1.524: MAIN1.1 96.237,13.401 F1.1
GLV-: C13.1 C14.1 C18.1 C19.1 C20.1 C21.1 C22.1 D2.K MAIN1.5 U5.4 | length 41.8
  Top Layer w0.508: D2.K 104.445,14.605 106.807,14.605 107.823,13.589 ; C13.1 107.823,13.589 ; U5.4 C22.1 ; C14.1 112.588,28.001 113.268,27.321 C22.1 ; 107.823,13.589 108.237,13.175 MAIN1.5 C18.1 C19.1 C20.1 C21.1 C22.1
Net*1_5: *1.5 L2.2 | length 5.5
  Top Layer w0.5: L2.2 64.203,42.477 *1.5
NetC2_2: C2.2 C6.2 C7.2 C8.2 U2.12 U2.19 | length 28.8
  Top Layer w0.5: U2.19 75.692,27.686 76.073,28.067 77.681,28.067 C7.2 C6.2 v4(82.625,28.018) ; U2.12@74.132,18.756 U2.12 75.692,18.796 76.63,17.858 C2.2 C8.2 v4(83.325,17.858)
  Bottom Layer w0.5: v4(82.625,28.018) 82.625,18.595 83.325,17.895 v4(83.325,17.858)
NetC11_2: C11.2 U2.15 U3.4 U4.1 | length 14.2
  Top Layer w0.5: U2.15 76.962,22.606 77.282,22.926 U4.1 80.452,22.926 80.752,22.626 U3.4 84.874,22.626 85.691,21.809 C11.2
NetC12_2: C12.2 U2.17 U3.3 U4.2 | length 15.7
  Top Layer w0.5: U2.17 76.962,25.146 77.282,24.826 U4.2 80.452,24.826 80.772,25.146 83.403,25.146 U3.3 85.926,25.126 87.659,26.859 C12.2
NetC13_2: C13.2 D1.A D2.A F1.2 | length 12
  Top Layer w0.508: F1.2 102.497,20.701 cw(c102.497,18.161) 103.731,20.381 103.769,20.381 D2.A@104.391,19.853 ; D2.A C13.2 D1.A
NetC14_2: C14.2 C18.2 C19.2 C20.2 C21.2 C22.2 D1.K U5.1 | length 43.7
  Top Layer w0.635: U5.1 C14.2 115.189,31.242 116.518,29.913 C22.2 C21.2 C20.2 ; v2(110.109,13.97) D1.K ; C18.2 C19.2 C20.2 ; v2(119.126,17.145) 119.068,17.203 116.576,17.203 C20.2
  Bottom Layer w0.635: v2(110.109,13.97) 115.951,13.97 v2(119.126,17.145)
NetC15_2: C15.2 L1.2 U5.2 | length 7.4
  Top Layer w0.635: U5.2 101.846,31.25 101.846,34.995 C15.2 104.246,35.003 105.011,35.768 L1.2@105.011,35.889
NetC25_1: C25.1 U6.1 | length 4.2
  Top Layer w0.254: C25.1 103.956,47.444 104.475,46.925 104.475,45.884 104.885,45.475 105.294,45.065 U6.1
NetC25_2: C25.2 U6.2 | length 3
  Top Layer w0.254: C25.2 104.056,45.544 105.035,44.565 U6.2
NetC26_2: C26.2 U6.13 | length 2.6
  Top Layer w0.254: U6.13 109.177,44.565 109.514,44.901 C26.2
NetC27_1: C27.1 U6.10 | length 2.6
  Top Layer w0.254: U6.10 109.125,43.065 109.567,42.624 C27.1
NetD3_K: D3.K R7.2 | length 1.8
  Top Layer w0.635: D3.K ccw(c108.011,55.153) 108.011,54.991 R7.2
NetD4_K: D4.K R8.2 | length 1.8
  Top Layer w0.635: D4.K 104.75,55.153 cw(c104.75,55.041) R8.2
NetD5_K: D5.K R9.2 | length 1.8
  Top Layer w0.5: D5.K ccw(c42.836,55.545) 42.836,54.991 R9.2
NetR5_2: R5.2 U2.18 | length 11.9
  Top Layer w0.5: U2.18 84.241,26.416 84.683,26.858 R5.2
NetR6_2: R6.2 U6.9 | length 3
  Top Layer w0.254: U6.9 108.885,42.565 109.145,42.305 109.145,41.94 108.737,41.532 R6.2
POT: "DASH I/O1.6" U1.26 | length 79.6
  Bottom Layer w0.5: 33,9.5 33,18 28.406,22.594 28.406,39.742 33.926,45.262 63.787,45.262 65.764,47.239 U1.26
"SIG 0V": C26.1 C27.2 R6.1 S1.2 U6.3 U6.7 U6.8 | length 7.1
  Top Layer w0.127: U6.8@107.449,42.476 107.475,42.45 U6.8@107.475,42.465
  Top Layer w0.254: v4(104.3,44.3) 104.403,44.3 104.638,44.065 U6.3
  Bottom Layer w0.254: v4(104.3,44.3) 104.3,41.75 105.45,40.6 v4(106.9,40.6)
pads on no net: "DASH I/O1.PEG" MAIN1.PEG U1.0 U1.1 U1.2 U1.3 U1.4 U1.5 U1.9 U1.10 U1.11 U1.12 U1.13 U1.14 U1.15 U1.16 U1.17 U1.19 U1.20 U1.21 U1.22 U1.23 U1.24 U1.25 U1.31 U1.32 U1.33 U1.34 U1.35 U1.36 U1.38 U1.39 U1.40 U1.41 U1.42 U1.43 U1.45 U1.46 U1.47 U2.2 U2.14 U6.11 U6.12

## Polygon pours and split planes (outlines as drawn)
0V on Top Layer "NONET_L-01_P-001" (solid, remove dead copper, pour order 30): 69.964,11.695 69.964,47.88 cw(c70.37,47.88) 70.37,48.286 98.291,48.286 ccw(c98.291,50.42) 100.424,50.42 100.424,60.127 125.695,60.127 cw(c125.695,57.627) 128.195,57.627 128.195,2.627 cw(c125.695,2.627) 125.695,0.127 3.695,0.127 cw(c3.695,2.627) 1.195,2.627 1.195,57.627 cw(c3.695,57.627) 3.695,60.127 98.697,60.127 98.697,50.42 cw(c98.291,50.42) 98.291,50.014 70.37,50.014 ccw(c70.37,47.88) 68.236,47.88 68.236,11.695 ccw(c70.37,11.695) 70.37,9.561 88.629,9.561 cw(c88.629,9.155) 89.035,9.155 89.035,0.127 90.762,0.127 90.762,9.155 ccw(c88.629,9.155) 88.629,11.289 70.37,11.289 cw(c70.37,11.695)
"SIG 0V" on Top Layer "NONET_L-01_P-001" (solid, remove dead copper, pour order 28): 106.13,42.925 107.725,42.925 107.875,43.075 107.875,45.55 109.025,46.7 116.625,46.7 118.625,44.7 118.625,42.45 114.25,38.075 106.13,38.075
"0V (ISO)" on Top Layer "NONET_L-01_P-001" (solid, remove dead copper, pour order 29): 3.695,0.127 89.035,0.127 89.035,9.155 ccw(c88.629,9.155) 88.629,9.561 70.37,9.561 cw(c70.37,11.695) 68.236,11.695 68.236,47.88 cw(c70.37,47.88) 70.37,50.014 98.291,50.014 ccw(c98.291,50.42) 98.697,50.42 98.697,60.127 3.695,60.127 ccw(c3.695,57.627) 1.195,57.627 1.195,2.627 ccw(c3.695,2.627)
"0V (ISO)" on Bottom Layer "0V_(ISO)_L02_P034" (solid, remove dead copper, pour order 34): 3.695,0.127 89.035,0.127 89.035,9.155 ccw(c88.629,9.155) 88.629,9.561 70.37,9.561 cw(c70.37,11.695) 68.236,11.695 68.236,47.88 cw(c70.37,47.88) 70.37,50.014 98.291,50.014 ccw(c98.291,50.42) 98.697,50.42 98.697,60.127 3.695,60.127 ccw(c3.695,57.627) 1.195,57.627 1.195,2.627 ccw(c3.695,2.627)
0V on Bottom Layer "0V_L02_P033" (solid, remove dead copper, pour order 33): 69.964,11.695 69.964,47.88 cw(c70.37,47.88) 70.37,48.286 98.291,48.286 ccw(c98.291,50.42) 100.424,50.42 100.424,60.127 125.695,60.127 cw(c125.695,57.627) 128.195,57.627 128.195,2.627 cw(c125.695,2.627) 125.695,0.127 3.695,0.127 cw(c3.695,2.627) 1.195,2.627 1.195,57.627 cw(c3.695,57.627) 3.695,60.127 98.697,60.127 98.697,50.42 cw(c98.291,50.42) 98.291,50.014 70.37,50.014 ccw(c70.37,47.88) 68.236,47.88 68.236,11.695 ccw(c70.37,11.695) 70.37,9.561 88.629,9.561 cw(c88.629,9.155) 89.035,9.155 89.035,0.127 90.762,0.127 90.762,9.155 ccw(c88.629,9.155) 88.629,11.289 70.37,11.289 cw(c70.37,11.695)

## Silkscreen, mask and mechanical layers (free items; w line width, h text height)
Top Overlay:
  text "5V (ISO)" at 40.676,57.425 h0.8
  text "5V" at 103.234,57.425 h0.8
  text "24V" at 107.609,57.425 h0.8
Bottom Overlay:
  drawing of 39 lines, arcs and shapes, not listed
  text "Team Swinburne" at 30.46,55.774 h2
  text "Formula SAE" at 24.326,54.415 h1.4
  text "TS_23 Dashboard Breakout Board R0" at 30.868,53.141 h1.02
  text "13/06/2023 - B.R" at 22.366,52.038 h1.02
Mechanical 13:
  the board outline again, w0.254
Drill Drawing:
  circle w0.254: c2.556,98.485 r0.847
  lines w0.254: 1.709,90.018 3.403,90.018 3.403,91.712 1.709,91.712 1.709,90.018 ; 1.709,94.252 2.133,94.252 2.133,93.828 2.979,93.828 2.979,94.252 3.403,94.252 3.403,95.098 2.979,95.098 2.979,95.522 2.133,95.522 2.133,95.098 1.709,95.098 1.709,94.252 ; 1.709,103.142 3.403,103.142 2.556,101.448 1.709,103.142 ; 1.709,106.105 2.556,105.258 3.403,106.105 2.556,106.952 1.709,106.105 ; 1.709,109.068 3.403,109.068 3.403,110.762 1.709,110.762 1.709,109.068 ; 1.709,112.878 2.556,113.302 3.403,112.878 2.979,113.725 3.403,114.572 2.556,114.148 1.709,114.572 2.133,113.725 1.709,112.878 ; 1.709,117.112 2.133,117.112 2.556,116.688 2.979,117.112 3.403,117.112 2.979,117.535 3.403,117.958 2.979,117.958 2.556,118.382 2.133,117.958 1.709,117.958 2.133,117.535 1.709,117.112 ; 1.709,120.498 1.709,120.922 2.133,121.345 1.709,121.768 1.709,122.192 2.133,122.192 2.556,121.768 2.979,122.192 3.403,122.192 3.403,121.768 2.979,121.345 3.403,120.922 3.403,120.498 2.979,120.498 2.556,120.922 2.133,120.498 1.709,120.498 ; 2.048,90.357 3.064,90.357 3.064,91.373 2.048,91.373 2.048,90.357
  lines w0.381: 0.191,88.875 273.012,88.875 ; 0.191,123.165 273.012,123.165 ; 14.183,85.065 14.183,126.975 ; 29.419,85.065 29.419,126.975 ; 58.62,85.065 58.62,126.975 ; 71.469,85.065 71.469,126.975 ; 90.108,85.065 90.108,126.975 ; 128.197,85.065 128.197,126.975 ; 143.179,85.065 143.179,126.975 ; 162.122,85.065 162.122,126.975 ; 182.436,85.065 182.436,126.975 ; 204.122,85.065 204.122,126.975 ; 237.996,85.065 237.996,126.975 ; 0.191,85.065 273.012,85.065 273.012,126.975 0.191,126.975 0.191,85.065
  text "Symbol" at 2.476,124.308 h1.83
  text "Count" at 15.326,124.308 h1.83
  text "Hole Size" at 30.562,124.308 h1.83
  text "Plated" at 59.763,124.308 h1.83
  text "Hole Type" at 72.612,124.308 h1.83
  text "Drill Layer Pair" at 91.251,124.308 h1.83
  text "Via/Pad" at 129.34,124.308 h1.83
  text "Pad Shape" at 144.322,124.308 h1.83
  text "Template" at 163.265,124.308 h1.83
  text "Description" at 183.579,124.308 h1.83
  text "Hole Tolerance (+)" at 205.265,124.308 h1.83
  text "Hole Tolerance (-)" at 239.139,124.308 h1.83
  text "4" at 15.326,120.498 h1.52
  text "45.28mil (1.150mm)" at 30.562,120.498 h1.52
  text "PTH" at 59.763,120.498 h1.52
  text "Round" at 72.612,120.498 h1.52
  text "Top Layer - Bottom Layer" at 91.251,120.498 h1.52
  text "Pad" at 129.34,120.498 h1.52
  text "(Mixed)" at 144.322,120.498 h1.52
  text "(Mixed)" at 163.265,120.498 h1.52
  text "4" at 15.326,116.688 h1.52
  text "118.11mil (3.000mm)" at 30.562,116.688 h1.52
  text "NPTH" at 59.763,116.688 h1.52
  text "Round" at 72.612,116.688 h1.52
  text "Top Layer - Bottom Layer" at 91.251,116.688 h1.52
  text "Pad" at 129.34,116.688 h1.52
  text "Rounded" at 144.322,116.688 h1.52
  text "c300hn300" at 163.265,116.688 h1.52
  text "4" at 15.326,112.878 h1.52
  text "129.92mil (3.300mm)" at 30.562,112.878 h1.52
  text "PTH" at 59.763,112.878 h1.52
  text "Round" at 72.612,112.878 h1.52
  text "Top Layer - Bottom Layer" at 91.251,112.878 h1.52
  text "Pad" at 129.34,112.878 h1.52
  text "Rounded" at 144.322,112.878 h1.52
  text "c660h330" at 163.265,112.878 h1.52
  text "8" at 15.326,109.068 h1.52
  text "14.00mil (0.355mm)" at 30.562,109.068 h1.52
  text "PTH" at 59.763,109.068 h1.52
  text "Round" at 72.612,109.068 h1.52
  text "Top Layer - Bottom Layer" at 91.251,109.068 h1.52
  text "Via" at 129.34,109.068 h1.52
  text "Rounded" at 144.322,109.068 h1.52
  text "v64h36m0mx0" at 163.265,109.068 h1.52
  text "9" at 15.326,105.258 h1.52
  text "5.00mil (0.127mm)" at 30.562,105.258 h1.52
  text "PTH" at 59.763,105.258 h1.52
  text "Round" at 72.612,105.258 h1.52
  text "Top Layer - Bottom Layer" at 91.251,105.258 h1.52
  text "Via" at 129.34,105.258 h1.52
  text "Rounded" at 144.322,105.258 h1.52
  text "v25h13m36mx0" at 163.265,105.258 h1.52
  text "12" at 15.326,101.448 h1.52
  text "40.16mil (1.020mm)" at 30.562,101.448 h1.52
  text "PTH" at 59.763,101.448 h1.52
  text "Round" at 72.612,101.448 h1.52
  text "Top Layer - Bottom Layer" at 91.251,101.448 h1.52
  text "Pad" at 129.34,101.448 h1.52
  text "(Mixed)" at 144.322,101.448 h1.52
  text "(Mixed)" at 163.265,101.448 h1.52
  text "1.97mil (0.050mm)" at 205.265,101.448 h1.52
  text "1.97mil (0.050mm)" at 239.139,101.448 h1.52
  text "16" at 15.326,97.638 h1.52
  text "28.00mil (0.711mm)" at 30.562,97.638 h1.52
  text "PTH" at 59.763,97.638 h1.52
  text "Round" at 72.612,97.638 h1.52
  text "Top Layer - Bottom Layer" at 91.251,97.638 h1.52
  text "Via" at 129.34,97.638 h1.52
  text "Rounded" at 144.322,97.638 h1.52
  text "v127h71m0mx0" at 163.265,97.638 h1.52
  text "48" at 15.326,93.828 h1.52
  text "37.40mil (0.950mm)" at 30.562,93.828 h1.52
  text "PTH" at 59.763,93.828 h1.52
  text "Round" at 72.612,93.828 h1.52
  text "Top Layer - Bottom Layer" at 91.251,93.828 h1.52
  text "Pad" at 129.34,93.828 h1.52
  text "(Mixed)" at 144.322,93.828 h1.52
  text "(Mixed)" at 163.265,93.828 h1.52
  text "273" at 15.326,90.018 h1.52
  text "9.84mil (0.250mm)" at 30.562,90.018 h1.52
  text "PTH" at 59.763,90.018 h1.52
  text "Round" at 72.612,90.018 h1.52
  text "Top Layer - Bottom Layer" at 91.251,90.018 h1.52
  text "Via" at 129.34,90.018 h1.52
  text "Rounded" at 144.322,90.018 h1.52
  text "v55h25m0mx0" at 163.265,90.018 h1.52
  text "378 Total" at 15.326,86.208 h1.52
  text "FABRICATION NOTES" at 173.25,76.05 h3
  text "1. QUANTITY: 5" at 173.25,68.192 h3
  text "2. SIZE: 127mm x 60mm" at 173.25,60.333 h3
  text "3. LAYERS: 2" at 173.25,52.475 h3
  text "4. SIGNAL LAYERS: 1, 2" at 173.25,43.617 h3
  text "a) WEIGHT: 1oz" at 181.95,35.758 h3
  text "5. SOLDER MASKS: Blue" at 173.25,27.9 h3
  text "6. SILKSCREEN: White" at 173.25,20.042 h3
  text "7. SURFACE FINISH: OSP" at 173.25,12.183 h3
  text "8. TOTAL THICKNESS: 0.832mm" at 173.25,4.325 h3

## Dimensions
1.193,60.127 to 1.193,0.127 on Drill Drawing
1.193,60.127 to 128.193,60.127 on Drill Drawing

## Text inside footprints (layer, text, board x,y; h text height)
U6: Top Overlay "*" at 104.384,45.265 h0.5; Mechanical 13 "*" at 105.825,44.68 h1.27